# Altium PCB HD68_BNC_Breakout.PCBDOC
Units mm, origin at the board's own origin, x right, y up, seen from the top; angles counter-clockwise.
Board outline 100 x 160 mm, 4 copper layers (TopLayer, Internal Plane 2, Signal Layer 1, BottomLayer), stack 1.563 mm thick; 99 components, 67 nets, 469 pads, 0 vias.
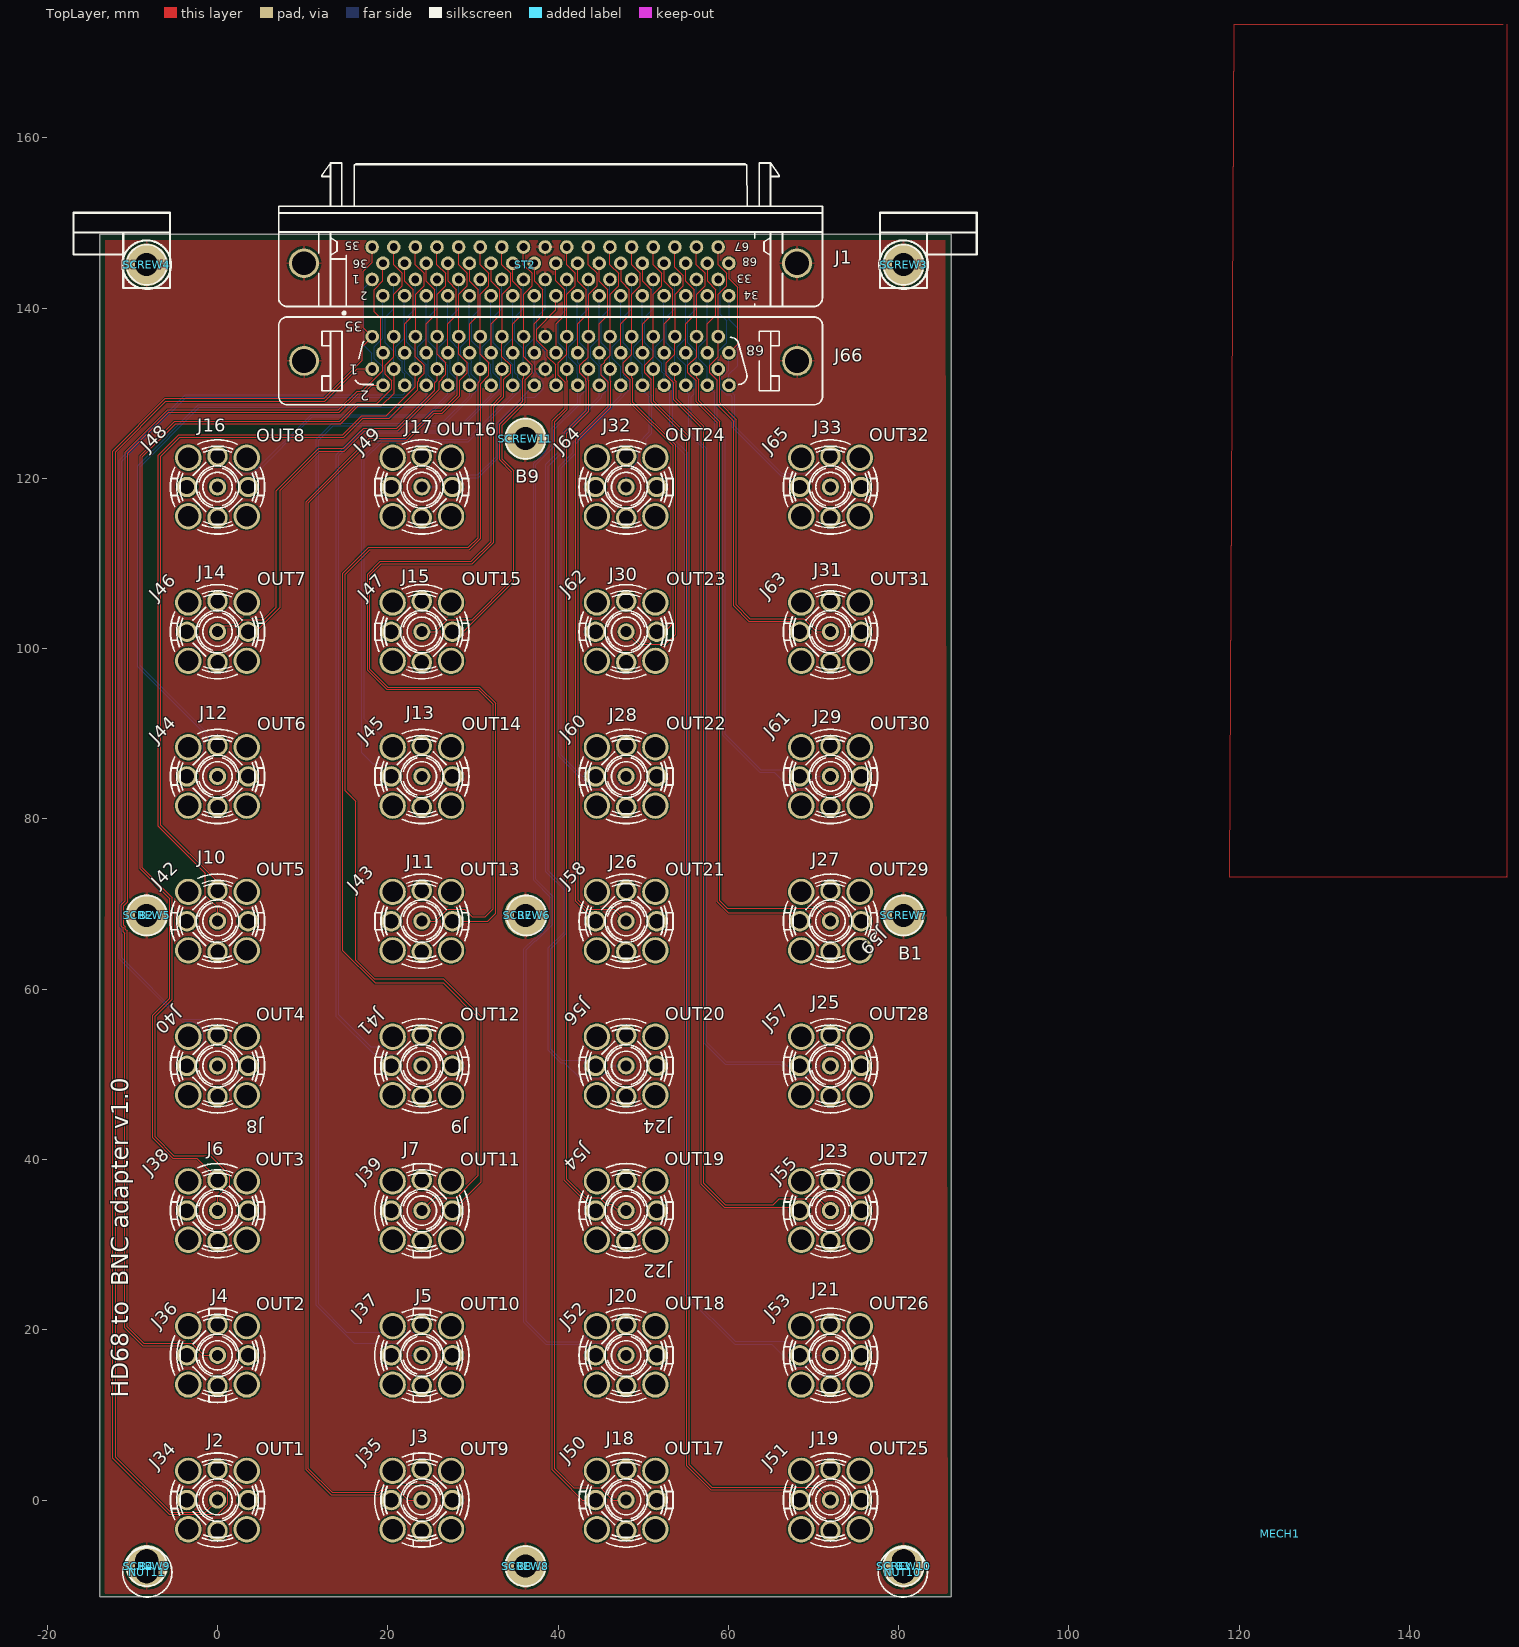
[diagram p0: TopLayer view]
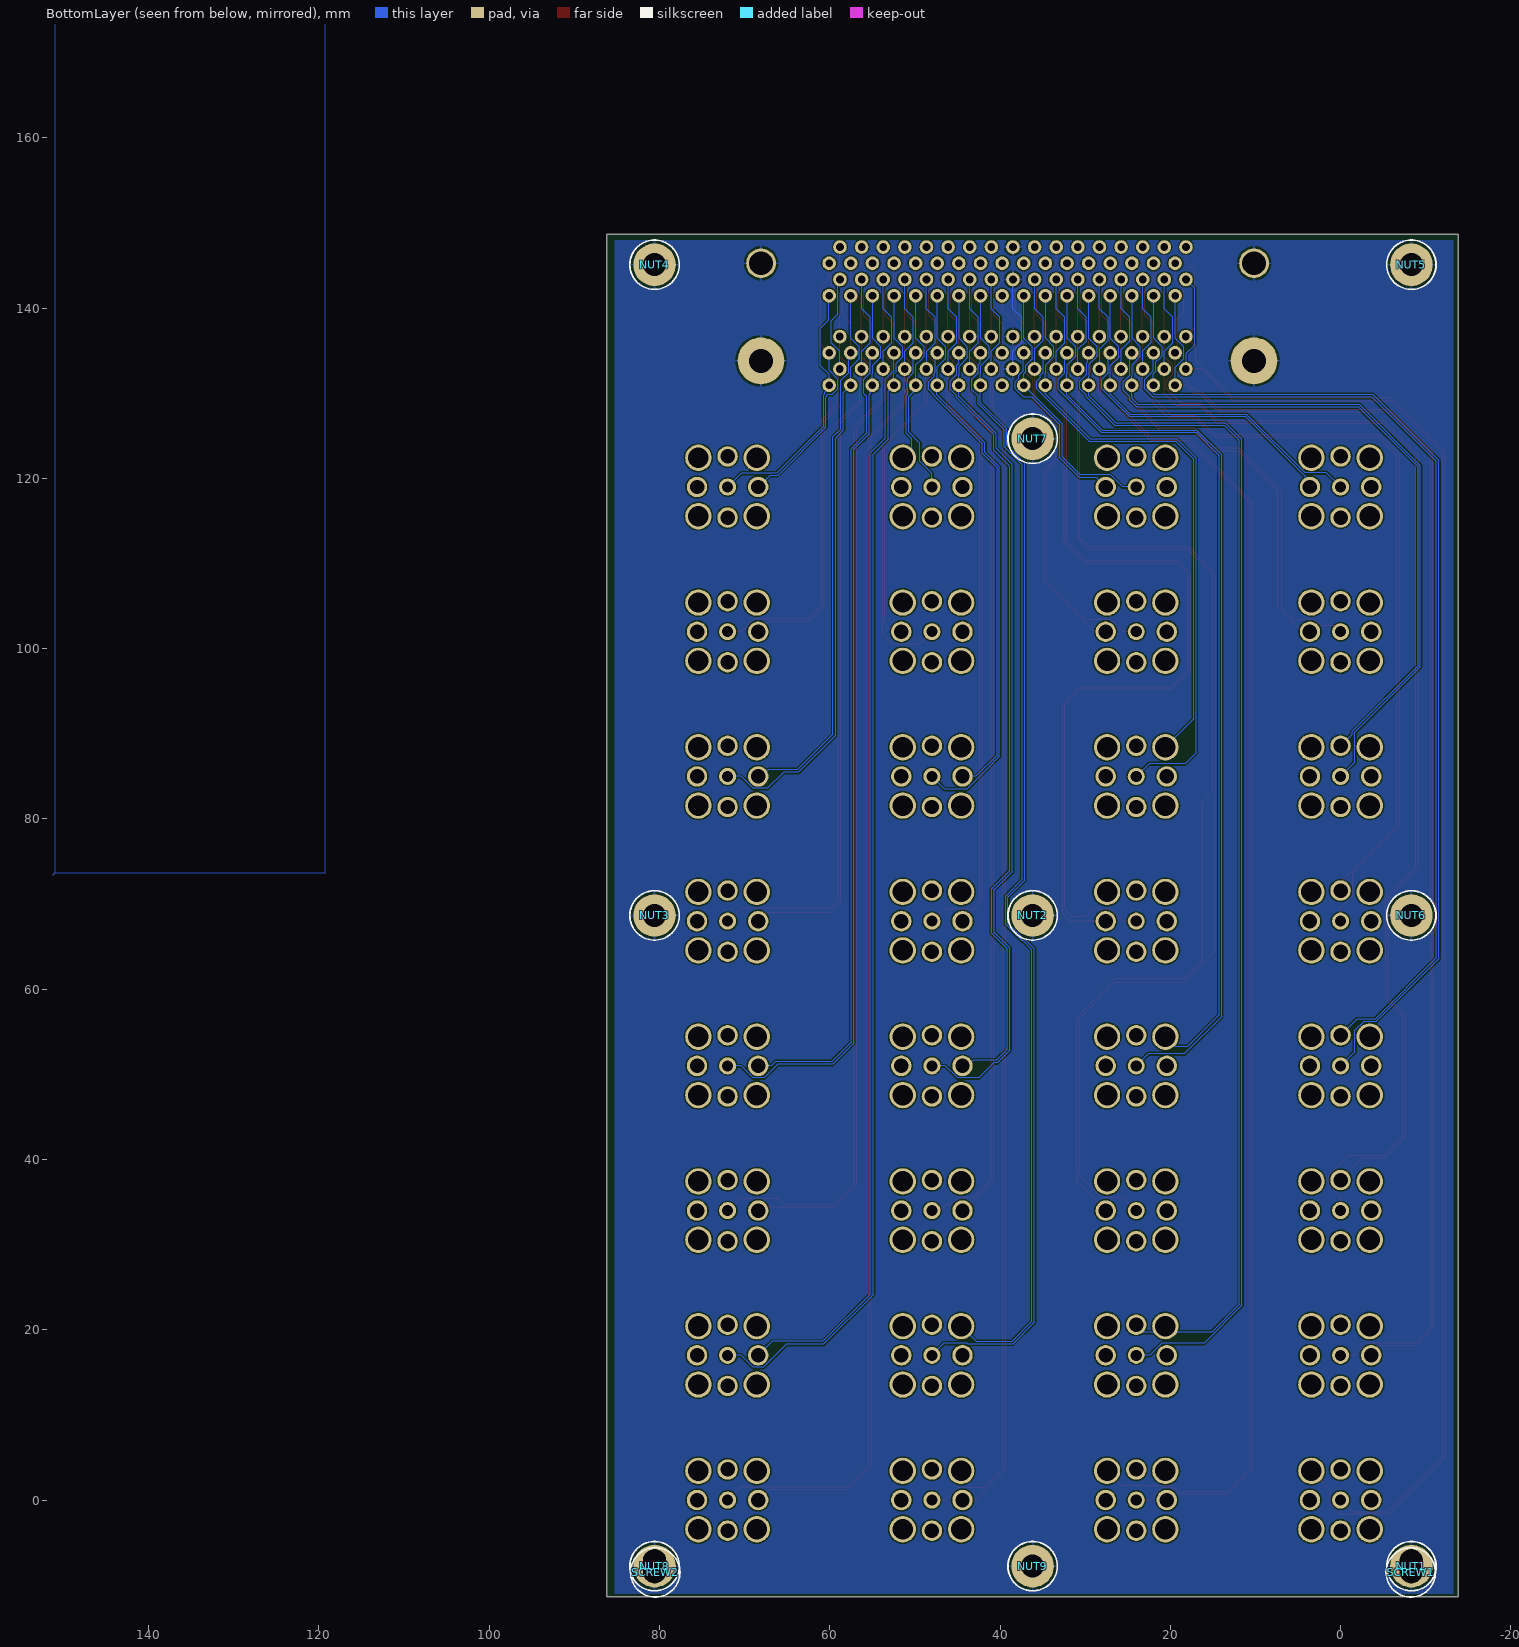
[diagram p1: BottomLayer view, seen from below]
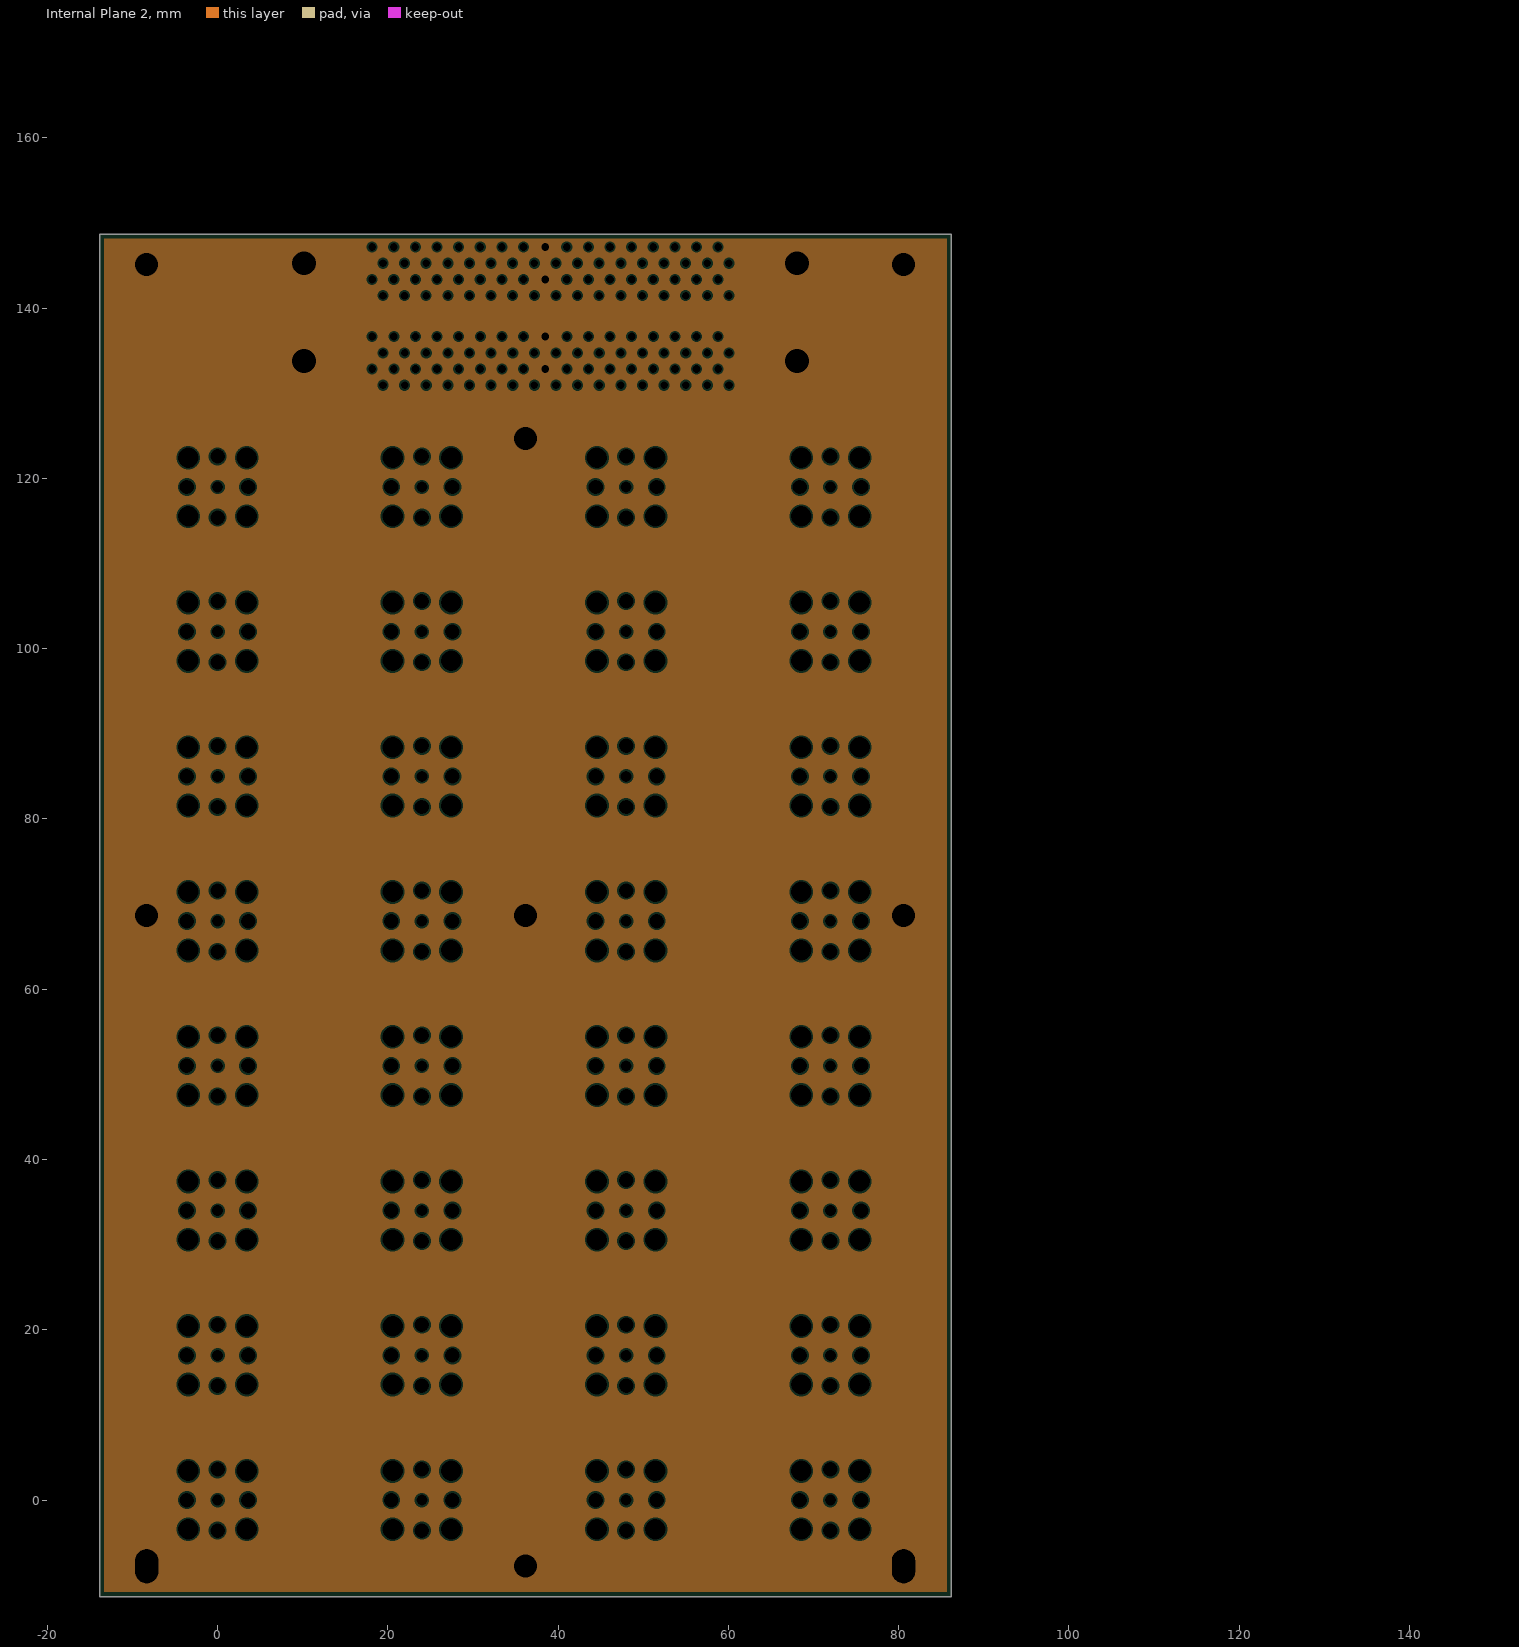
[diagram p2: Internal Plane 2, clearances drawn from the general rule]
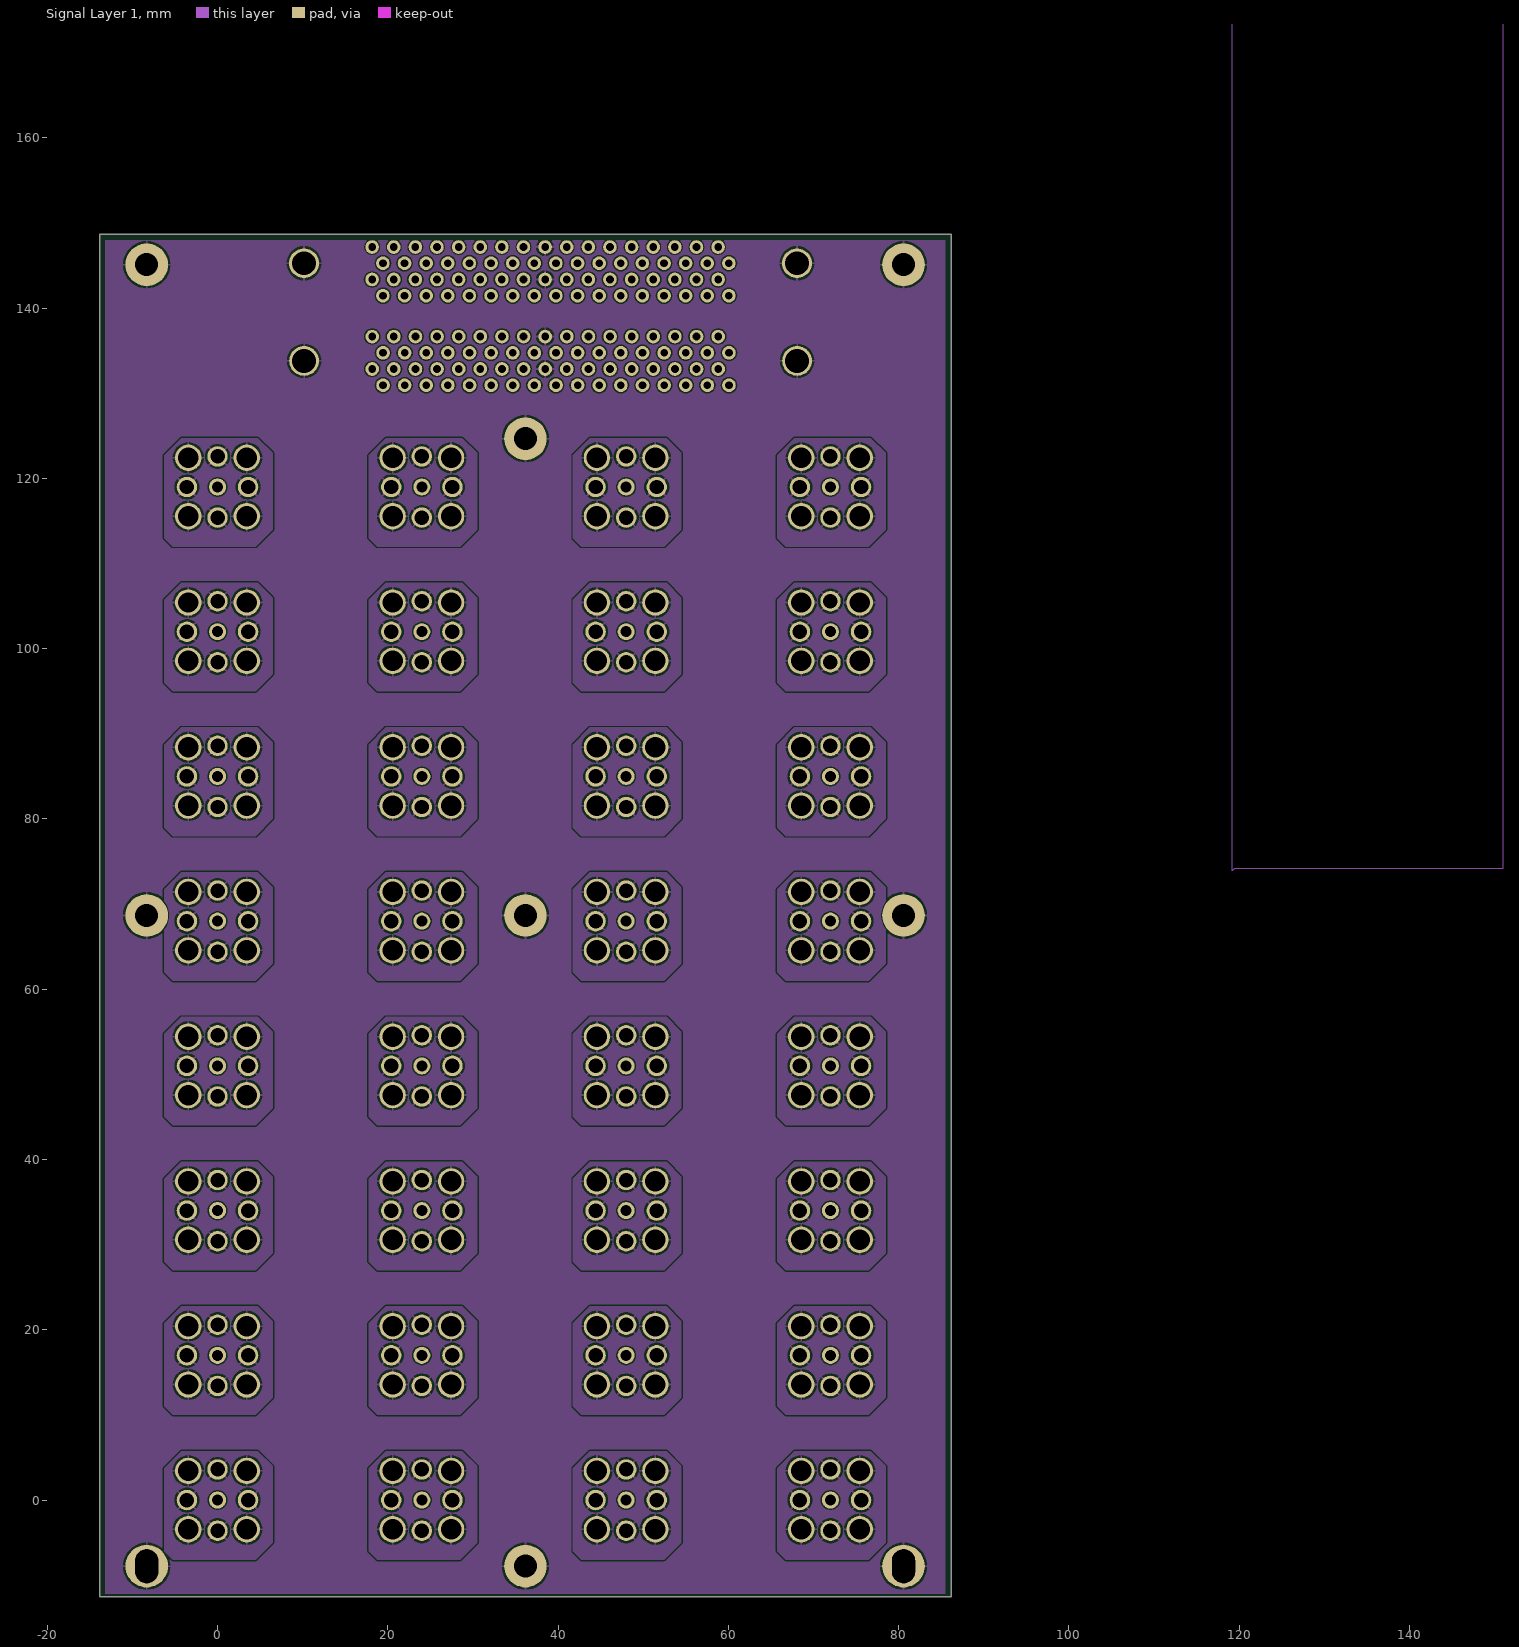
[diagram p3: Signal Layer 1]
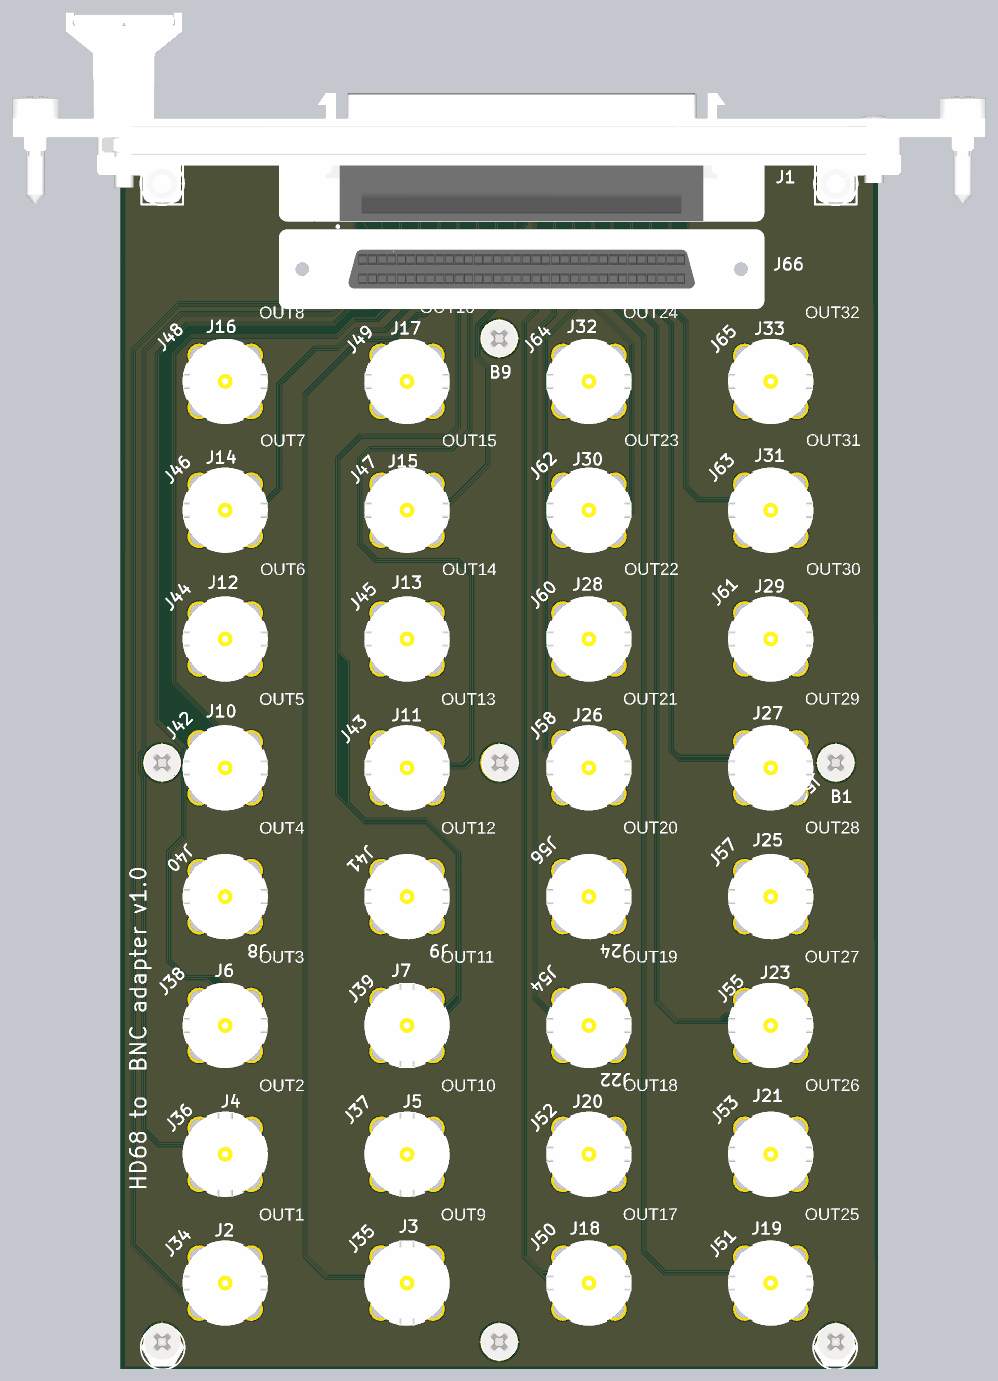
[diagram p4: 3D render of the assembled board from above, using the file's embedded part models]

## Layer stack, top to bottom
TopSolder: solder mask 0.0102, Solder Resist, Dk 3.5
TopLayer: signal copper 0.0356
Dielectric1: core 0.36, FR-4, Dk 4.8
Internal Plane 2: plane copper 0.036, net GND
Dielectric 3: prepreg 0.7, Dk 4.2
Signal Layer 1: signal copper 0.036
Dielectric 5: core 0.36, Dk 4.2
BottomLayer: signal copper 0.0356
BottomSolder: solder mask 0.0102, Solder Resist, Dk 3.5

## Board outline
-13.83,-11.33 86.17,-11.33 86.17,148.67 -13.83,148.67

## Design rules (kind name [scope] priority, off if disabled: settings)
Clearance Clearance_DIFF [(InDifferentialPairClass('All Differential Pairs')and IsTrack ) vs (InDifferentialPairClass('All Differential Pairs') and IsTrack  )] p1 off: gap=0.508 ignorepadtopadclearanceinfootprint=FALSE except(0: Arc-Hole Track-Hole SMDPad-Hole THPad-Hole Via-Hole Fill-Hole Poly-Hole Region-Hole Text-Hole; 0.127: SMDPad-SMDPad SMDPad-THPad SMDPad-Via SMDPad-Fill SMDPad-Poly SMDPad-Region SMDPad-Text THPad-THPad THPad-Via THPad-Fill THPad-Poly THPad-Region THPad-Text Via-Via Via-Fill Via-Poly Via-Region Via-Text)
Clearance [All] p2: gap=0.152 ignorepadtopadclearanceinfootprint=FALSE
ComponentClearance [All] p1: gap=0 collisioncheckmode=3 verticalgap=2540 showdistances=FALSE
DiffPairsRouting [All] p1: maxlimit=0.152 minlimit=0.127 mostfreqgap=0.152 toplayer_minwidth=0.127 toplayer_maxwidth=0.152 toplayer_prefwidth=0.152 midlayer1_minwidth=0.127 midlayer1_maxwidth=0.152 midlayer1_prefwidth=0.152 bottomlayer_minwidth=0.127 bottomlayer_maxwidth=0.152 bottomlayer_prefwidth=0.152 maxuncoupledlength=12.7
FabricationTestPointUsage TestPointUsage [All] p1: valid=0 allowmultiple=FALSE
FabricationTestpoint Testpoint [All] p1: side=3 testpointundercomponent=TRUE minsize=1.016 maxsize=2.54 preferedsize=1.524 minholesize=0.508 maxholesize=1.016 preferedholesize=0.813 testpointgrid=0.025 allowsidetop=TRUE allowsidebottom=TRUE usegrid=TRUE gridtolerance=0
Height [All] p1: minheight=0 maxheight=40 prefheight=40
HoleSize [All] p1: absolutevalues=TRUE maxlimit=3.81 minlimit=0.025 maxpercent=80.000 minpercent=20.000
HoleToHoleClearance [All] p1: gap=0.025 allowstackedmicrovias=TRUE
MinimumSolderMaskSliver [All] p1: minsoldermaskwidth=0
PlaneClearance [All] p1: clearance=0.2
PlaneConnect [All] p1: planeconnectstyle=Direct reliefexpansion=0.508 reliefentries=4 reliefconductorwidth=0.254 reliefairgap=0.254
PolygonConnect PolygonConnect_pad [(InPadClass('All Pads'))] p1: connectstyle=Relief reliefconductorwidth=0.254 reliefentries=4 polygonreliefangle="90 Angle" airgapwidth=0.254
PolygonConnect [All] p2: connectstyle=Direct reliefconductorwidth=0.254 reliefentries=4 polygonreliefangle="45 Angle" airgapwidth=0.254
RoomDefinition HD68_BNC_Breakout [InComponentClass('HD68_BNC_Breakout')] p1: confinementstyle=ConfineIn formatcopy=TRUE lockcomponents=FALSE outline 126.75,8 93.25,8 93.25,-22 126.75,-22
RoutingVias [All] p1: holewidth=0.2 width=0.5 viastyle="Through Hole" minholewidth=0.2 minwidth=0.5 maxholewidth=0.711 maxwidth=1.27
SilkToSilkClearance [All] p1: silktosilkclearance=0
SilkToSolderMaskClearance SilkscreenOverComponentPads [IsPad] p1: minsilkscreentomaskgap=0 clearancetoexposedcopper=TRUE
SolderMaskExpansion [All] p1: expansion=0.051 istentingtop=FALSE
ViasUnderSMD [All] p1: allowed=FALSE
Width [All] p1: maxlimit=1.27 minlimit=0.127 preferedwidth=0.127
18 further rules are at their usual default settings.

## Components (designator, comment, footprint, x,y, rotation, side; value= is the part's Value field where it differs from the comment)
B1 "Plated Hole" MTG270_500#1 80.582,68.67 r0 top
B2 "Plated Hole" MTG270_500#1 -8.318,68.67 r0 top
B3 "Plated Hole" MTG270_500#2 80.582,-7.769 r0 top
B4 "Plated Hole" MTG270_500#2 -8.318,-7.769 r0 top
B7 "Plated Hole" MTG270_500#1 36.17,68.67 r0 top
B8 "Plated Hole" MTG270_500#1 36.17,-7.769 r0 top
B9 "Plated Hole" MTG270_500#1 36.17,124.67 r0 top
ENC1 "Hammond_1590DDF_base" 1590DDF_base -23.58,-20.755 r0 top locked
ENC2 "Hammond_1590DDF_top" 1590D-DD-E_LID_custom -23.58,-20.755 r0 top locked
J1 "D-SUB" TYCO_5787082-7 39.115,144.328 r180 top locked
J2 "BNC" TYCO_5-1634506-1 0,0 r180 top
J3 "BNC" TYCO_5-1634506-1 24,0 r270 top
J4 "BNC" TYCO_5-1634506-1 0,17 r270 top
J5 "BNC" TYCO_5-1634506-1 24,17 r270 top
J6 "BNC" TYCO_5-1634506-1 0,34 r180 top
J7 "BNC" TYCO_5-1634506-1 24,34 r270 top
J8 "BNC" TYCO_5-1634506-1 0,51 r180 top
J9 "BNC" TYCO_5-1634506-1 24,51 r180 top
J10 "BNC" TYCO_5-1634506-1 0,68 r180 top
J11 "BNC" TYCO_5-1634506-1 24,68 r180 top
J12 "BNC" TYCO_5-1634506-1 0,85 r180 top
J13 "BNC" TYCO_5-1634506-1 24,85 r180 top
J14 "BNC" TYCO_5-1634506-1 0,102 r180 top
J15 "BNC" TYCO_5-1634506-1 24,102 r180 top
J16 "BNC" TYCO_5-1634506-1 0,119 r180 top
J17 "BNC" TYCO_5-1634506-1 24,119 r180 top
J18 "BNC" TYCO_5-1634506-1 48,0 r180 top
J19 "BNC" TYCO_5-1634506-1 72,0 r180 top
J20 "BNC" TYCO_5-1634506-1 48,17 r180 top
J21 "BNC" TYCO_5-1634506-1 72,17 r180 top
J22 "BNC" TYCO_5-1634506-1 48,34 r180 top
J23 "BNC" TYCO_5-1634506-1 72,34 r180 top
J24 "BNC" TYCO_5-1634506-1 48,51 r180 top
J25 "BNC" TYCO_5-1634506-1 72,51 r180 top
J26 "BNC" TYCO_5-1634506-1 48,68 r180 top
J27 "BNC" TYCO_5-1634506-1 72,68 r180 top
J28 "BNC" TYCO_5-1634506-1 48,85 r180 top
J29 "BNC" TYCO_5-1634506-1 72,85 r180 top
J30 "BNC" TYCO_5-1634506-1 48,102 r180 top
J31 "BNC" TYCO_5-1634506-1 72,102 r180 top
J32 "BNC" TYCO_5-1634506-1 48,119 r180 top
J33 "BNC" TYCO_5-1634506-1 72,119 r180 top
J34 "MCX" AMPHENOL_919-109J-51PX 0,0 r225 top
J35 "MCX" AMPHENOL_919-109J-51PX 24,0 r225 top
J36 "MCX" AMPHENOL_919-109J-51PX 0,17 r225 top
J37 "MCX" AMPHENOL_919-109J-51PX 24,17 r225 top
J38 "MCX" AMPHENOL_919-109J-51PX 0,34 r225 top
J39 "MCX" AMPHENOL_919-109J-51PX 24,34 r225 top
J40 "MCX" AMPHENOL_919-109J-51PX 0,51 r225 top
J41 "MCX" AMPHENOL_919-109J-51PX 24,51 r225 top
J42 "MCX" AMPHENOL_919-109J-51PX 0,68 r225 top
J43 "MCX" AMPHENOL_919-109J-51PX 24,68 r225 top
J44 "MCX" AMPHENOL_919-109J-51PX 0,85 r225 top
J45 "MCX" AMPHENOL_919-109J-51PX 24,85 r225 top
J46 "MCX" AMPHENOL_919-109J-51PX 0,102 r225 top
J47 "MCX" AMPHENOL_919-109J-51PX 24,102 r225 top
J48 "MCX" AMPHENOL_919-109J-51PX 0,119 r225 top
J49 "MCX" AMPHENOL_919-109J-51PX 24,119 r225 top
J50 "MCX" AMPHENOL_919-109J-51PX 48,0 r225 top
J51 "MCX" AMPHENOL_919-109J-51PX 72,0 r225 top
J52 "MCX" AMPHENOL_919-109J-51PX 48,17 r225 top
J53 "MCX" AMPHENOL_919-109J-51PX 72,17 r225 top
J54 "MCX" AMPHENOL_919-109J-51PX 48,34 r225 top
J55 "MCX" AMPHENOL_919-109J-51PX 72,34 r225 top
J56 "MCX" AMPHENOL_919-109J-51PX 48,51 r225 top
J57 "MCX" AMPHENOL_919-109J-51PX 72,51 r225 top
J58 "MCX" AMPHENOL_919-109J-51PX 48,68 r225 top
J59 "MCX" AMPHENOL_919-109J-51PX 72,68 r225 top
J60 "MCX" AMPHENOL_919-109J-51PX 48,85 r225 top
J61 "MCX" AMPHENOL_919-109J-51PX 72,85 r225 top
J62 "MCX" AMPHENOL_919-109J-51PX 48,102 r225 top
J63 "MCX" AMPHENOL_919-109J-51PX 72,102 r225 top
J64 "MCX" AMPHENOL_919-109J-51PX 48,119 r225 top
J65 "MCX" AMPHENOL_919-109J-51PX 72,119 r225 top
J66 "AMPLIMITE" TYCO_5749721-7 39.125,133.813 r180 top locked
MECH1 "61000-007" GENERIC_MECH 124.819,-3.98 r90 top
NUT1 "M2.5" BOSSARD_BN628-1241427_v -8.318,-7.769 r270 bottom
NUT2 "M2.5" BOSSARD_BN628-1241427_v 36.17,68.67 r270 bottom
NUT3 "M2.5" BOSSARD_BN628-1241427_v 80.582,68.67 r270 bottom
NUT4 "M2.5" BOSSARD_BN628-1241427_v 80.582,145.109 r270 bottom
NUT5 "M2.5" BOSSARD_BN628-1241427_v -8.318,145.109 r270 bottom
NUT6 "M2.5" BOSSARD_BN628-1241427_v -8.318,68.67 r270 bottom
NUT7 "M2.5" BOSSARD_BN628-1241427_v 36.17,124.67 r270 bottom
NUT8 "M2.5" BOSSARD_BN628-1241427_v 80.582,-7.769 r180 bottom
NUT9 "M2.5" BOSSARD_BN628-1241427_v 36.17,-7.769 r180 bottom
NUT10 "M2.5" BOSSARD_BN628-1241427_v 80.5,-8.5 r0 top
NUT11 "M2.5" BOSSARD_BN628-1241427_v -8.25,-8.5 r0 top
SCREW1 "M2.5x4" BOSSARD_BN5687-3061587_v -8.25,-8.5 r90 bottom
SCREW2 "M2.5x4" BOSSARD_BN5687-3061587_v 80.5,-8.5 r90 bottom
SCREW3 "M2.5x10" BOSSARD_B2.5X10/BN3333_v 80.582,145.108 r90 top
SCREW4 "M2.5x10" BOSSARD_B2.5X10/BN3333_v -8.318,145.109 r90 top
SCREW5 "M2.5x10" BOSSARD_B2.5X10/BN3333_v -8.318,68.67 r90 top
SCREW6 "M2.5x10" BOSSARD_B2.5X10/BN3333_v 36.297,68.67 r90 top
SCREW7 "M2.5x10" BOSSARD_B2.5X10/BN3333_v 80.582,68.67 r90 top
SCREW8 "M2.5x10" BOSSARD_B2.5X10/BN3333_v 36.17,-7.768 r90 top
SCREW9 "M2.5x10" BOSSARD_B2.5X10/BN3333_v -8.318,-7.769 r90 top
SCREW10 "M2.5x10" BOSSARD_B2.5X10/BN3333_v 80.582,-7.769 r90 top
SCREW11 "M2.5x10" BOSSARD_B2.5X10/BN3333_v 36.17,124.67 r90 top
ST2 "SCHROFF_PANEL_3U_8HP_HD68_BNC" "SCHROFF_PANEL_3HP_8U - HD68_BNC" -8.318,145.109 r270 top locked

## Footprints (in the part's own frame and the unit in brackets; to place one, negate y for a bottom-side part, rotate by r counter-clockwise, add the part's x,y. Pads: shape width x height; smd on the part's side, far side on the other; paste and mask are expansions set on the pad)
1590D-DD-E_LID_custom [mm]
  body extent 0,0 119.5,187.5, height 4
1590DDF_base [mm]
  body extent -0.25,-14.58 119.75,202.08, height 4
AMPHENOL_919-109J-51PX [mm] "50 Ohm, RF Connector, MCX Straight PCB Receptacle Jack"
  round 1.9 hole 1.2: 1(0,0)
  round 2.4 hole 1.7: 2(-2.54,2.54) 2(-2.54,-2.54) 2(2.54,2.54) 2(2.54,-2.54)
  silkscreen extent -3,-3 3,3, body extent -3,-3 3,3, height 6.06
BOSSARD_B2.5X10/BN3333_v [mm] "M2.5 L=10mm PZ Head Machine Screw, Zinc steel"
  silkscreen extent -2.35,-2.35 2.35,2.35, body extent -2.35,-2.35 2.35,2.35, height 4
BOSSARD_BN628-1241427_v [mm] "M2.5 Hexagon Nut ~0,8d, ISO 4032 - DIN 934, Stainless Steel A2"
  silkscreen extent -2.9,-2.9 2.9,2.9, body extent -2.89,-2.5 2.89,2.5, height 2
BOSSARD_BN5687-3061587_v [mm] "M2.5 L=4mm Hexalobular Socket Pan Head Screw, Fully Threaded - Stainless Steel A2"
  silkscreen extent -2.9,-2.9 2.9,2.9, body extent -2.5,-2.5 2.5,2.5, height 2.1